# Altium PCB SHM.PcbDoc (part 2 of 3) (continued)
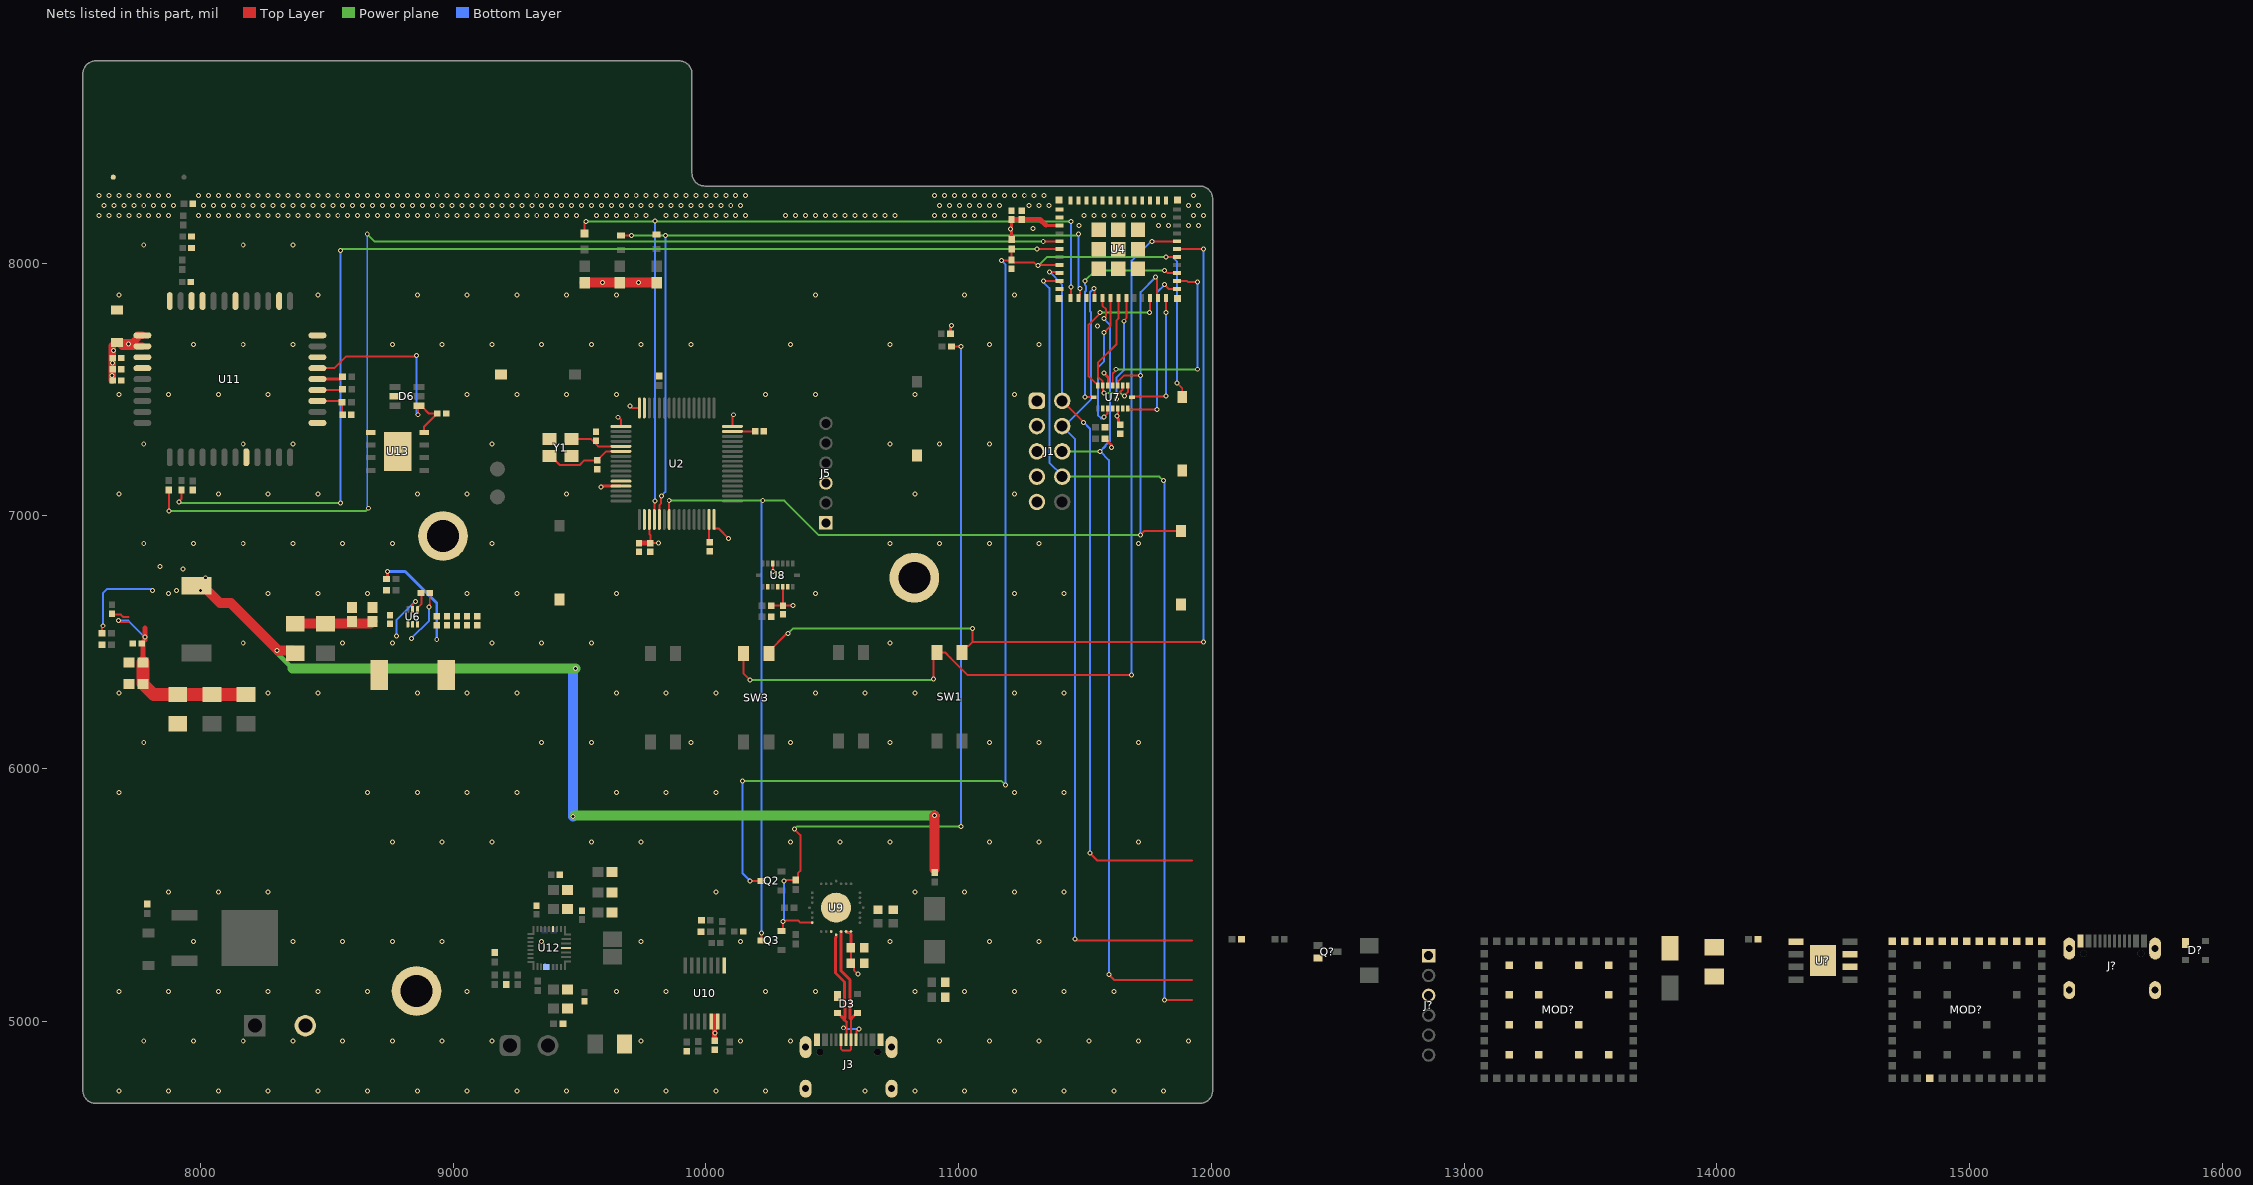
[diagram p4: the nets of this part, all layers, seen from the top]
## Part data (continued)
U11: library part CMP-72dbb8ea0133ad1c-5, "Module: GSM/Bluetooth; GPRS; 2G; 1800MHz, 900MHz; 85.6kbps; SMD", LCSC Part=C69120, LCSC_PN=C69119, Manufacturer Part Number=SIM800C, Mounting Style="Surface Mount", Octopart URL=http://octopart.com/sim800c-simcom-54220430, OctopartID=72dbb8ea0133ad1c
U12: "Integrated Circuit", LCSC_PN=C3682029, Manufacturer_Name="Texas Instruments", Mouser Part Number=595-BQ25672RQMR, Arrow Part Number=BQ25672RQMR, Arrow Price/Stock=https://www.arrow.com/en/products/bq25672rqmr/texas-instruments?region=nac, Datasheet Link=https://www.ti.com/lit/ds/symlink/bq25672.pdf, Height=1mm, Manufacturer_Part_Number=BQ25672RQMR, Mouser Price/Stock=https://www.mouser.co.uk/ProductDetail/Texas-Instruments/BQ25672RQMR?qs=ljCeji4nMDntn8Xa8JfKdA%3D%3D
U13: library part CMP-ce8f06c57f401148-2, "Embedded SIM card in MFF2", LCSC_PN=C5122390, DNP=DNP
U?: "Integrated Circuit", LCSC_PN=C9864, Manufacturer_Name="Texas Instruments", Mouser Part Number=595-TPS5430DDAR, Arrow Part Number=TPS5430DDAR, Arrow Price/Stock=https://www.arrow.com/en/products/tps5430ddar/texas-instruments?region=nac, Datasheet Link=http://www.ti.com/lit/gpn/tps5430, Height=1.7mm, Manufacturer_Part_Number=TPS5430DDAR, Mouser Price/Stock=https://www.mouser.co.uk/ProductDetail/Texas-Instruments/TPS5430DDAR?qs=zwk82MlA57ZJdOTovH1aYA%3D%3D
Y1: "Crystal or Oscillator", LCSC_PN=C400090, Manufacturer_Name="TAE(Zhejiang Abel Elec)", Datasheet Link=https://datasheet.lcsc.com/lcsc/1912111437_TAE-Zhejiang-Abel-Elec-TAXM8M4RDBCCT2T_C400090.pdf, Height=0.8mm, Manufacturer_Part_Number=TAXM8M4RDBCCT2T

## Free pads (board coordinates)
  round 196.85 hole 125.98: 0(8855,5120) 0(8960,6920) 0(10825,6755)

## Via types
v1: diameter 19.68, hole 11.81, Top Layer to Bottom Layer, tented both sides, 684 vias

## Nets (pads, with @x,y where several pads share a name; then routed paths per layer and width w, separated by ;. In a path a pad name is that pad's centre, name@x,y a point inside that pad or via, vN(x,y) a via of type N, cw(c..) or ccw(c..) an arc to the next point about the centre after c; other vN are vias at no path point)
3v3_dig@2A: C10.2 C11.1 C27.2 C28.1 C30.2 C31.2 C32.2 C33.2 C34.2 C38.1 C39.1 C42.2 C43.2 C49.2 J1.1 J5.1 J?.1 L3.2 MOD?.14@14842.36,4774.33 R13.2 R22.2 R26.1 R27.1 R39.2 U2.1 U2.13 U2.19 U2.32 U2.48 U2.64 U4.3 U7.3 U7.11 U8.3 U8.11 U9.6 U9.7 U10.5 U10.6 | length 1890.5
  Top Layer w7.87: v1(9652.91,7390.1) 9654.9,7390.1 9664.06,7380.94 U2.1@9664.06,7353.74 ; v1(9700,7435) 9708.43,7426.57 U2.64@9736.89,7426.57 ; U2.19@9776.26,6985.63 9776.26,6927.12 9780,6923.38 C28.1@9780,6892.32 9807.68,6892.32 9810,6890 9810,6890.26 v1(9812.22,6892.48) ; U2.32@10032.17,6985.63 10032.17,6951.94 10033.98,6950.12 10049.88,6950.12 v1(10090,6910) ; U2.48@10105,7353.74 10105,7395 v1(10110,7400) ; R27.1@10258.7,6645 10304.65,6645 10304.68,6644.96 U8.3@10304.68,6719.13 ; v1(10265,6780) 10265.32,6780.31 U8.11@10265.32,6810.87 ; C39.1@10305,6644.65 10305.35,6645 v1(10345,6645) ; C42.2@10573.43,5290 C43.2@10573.43,5230 10585.69,5217.73 10585.69,5202.35 v1(10601.01,5187.04) ; U7.11@11590.71,7515.87 11590.71,7549.29 ; 11630,7385 11630,7424.06 U7.3@11630.08,7424.13
  Top Layer w11.81: R22.2@8736.3,6750 8740,6753.7 v1(8740,6780) ; v1(9585,7115) 9587.52,7117.52 U2.13@9664.06,7117.52 ; U9.6@10554.69,5355 10557.64,5352.05 10566.51,5352.05 10573.43,5345.13 C42.2@10573.43,5290 ; R39.2@10968.7,7720 10968.7,7753.7 10970,7755 10971.21,7753.79 v1(10972.27,7753.79) ; R13.2@11210,8093.7 11210,8127.87 11205,8132.87 11205,8137.13 11210,8142.13 C10.2@11210,8172.68 ; 11345,8150 11345.51,8149.49 U4.3@11399.96,8149.49 ; v1(11575,7565) 11590.71,7549.29 ; R26.1@11578.7,7305 11579.69,7305 11605,7279.69 v1(11605,7270) ; 11630,7385 11633.7,7381.3 11633.7,7365.94 C38.1@11640,7359.65
  Top Layer w19.68: C27.2@9735,6892.32 C28.1@9780,6892.32 ; C49.2@10035,4922.32 10035,5020 ; C10.2@11210,8172.68 C11.1@11250,8172.68 11322.32,8172.68 11345,8150
  Bottom Layer w11.81: v1(8740,6780) 8810,6780 8935,6655 v1(8935,6510)
  other v1: 10036.97,4954.35 11626.97,7394.35 11205,8135
4v3@3A: C50.2 C51.2 C52.2 C?.2 D5.1 L2.2 R1.2 R2.2 R3.2 R18.2 R20.1 R23.2 R?.2@14163.7,5325 U11.34 U11.35 | length 4957.9
  Top Layer w7.87: R18.2@7611.3,6535 7611.3,6561.3 v1(7615,6565)
  Top Layer w29.53: C50.2@7651.69,7535.98 D5.1@7651.69,7673.43 ; D5.1@7670,7685.63 D5.1@7676.1,7685.63 ; U11.35@7770.2,7670.87 7690.87,7670.87 D5.1@7676.1,7685.63 ; U11.34@7770.2,7714.17 7752.48,7714.17 7749.53,7711.22 7749.53,7702.93 7732.23,7685.63 D5.1@7676.1,7685.63
  Top Layer w39.37: L2.2@7985,6722.87 8009.61,6722.87 8077.48,6655 8120,6655 v1@8305.55,6469.45 ; v1@8307.24,6467.76 8364.17,6467.76 R20.1@8375,6456.93 ; R3.2@9520,7922.52 R2.2@9660,7922.52 R1.2@9805,7922.52 ; R23.2@10905,5600 v1(10905,5815)
  Power plane w19.68: v1(8302.66,6466.56) 8300,6463.9 8300,6460 8365,6395 ; v1(9475,5810) v1@9480,5815
  Power plane w39.37: 8365,6395 v1(9485,6395) ; v1@9480,5815 v1(10905,5815)
  Bottom Layer w7.87: v1(7615,6565) 7615,6695 7630,6710 7805,6710 v1(7810,6705)
  Bottom Layer w19.68: 9475,6385 v1(9485,6395)
  Bottom Layer w39.37: v1(9475,5810) 9475,6385
  other v1: 7905,6705 8000,6705 8020,6755 7930,6790 7840,6800 7650,7555 7651.69,7604.7 7655,7655 7715,7680 9590,7922.52 9732.5,7922.52
13v5@3A: R15.1
BTST1: C69.1 U12.4
D_N: D3.3 J3.A7 J3.B7 U9.5 | length 596.4
  Top Layer w8: J3.B7@10535.47,4926.9 10535.47,4889.69 10540.16,4885 10570.15,4885 10574.84,4889.69 J3.A7@10574.84,4926.9 10574,4927.74 10574,5007.23
  Top Layer w11.81: U9.5@10535,5352.05 10535,5199.54 10570.51,5164.03 10570.51,5010.72 10574,5007.23 10575.42,5008.65 10575.42,5010.62 10597.4,5032.6 D3.3@10599.37,5032.6
D_P: D3.2 J3.A6 J3.B6 U9.4 | length 587.3
  Top Layer w8: v1(10545,4974.25) 10545.75,4975 10556,4975 10556,4997.23 ; J3.A6@10555.16,4926.9 10556,4927.74 10556,4974.25 ; J3.B6@10594.53,4926.9 10596.43,4928.8 10596.43,4961.43 v1(10605,4970)
  Top Layer w11.81: 10515.19,5334.44 10515.19,5330.47 10513.19,5328.47 10513.19,5190.51 10548.7,5155 10548.7,5055.18 10550.7,5053.18 10550.7,5012.02 10548.67,5009.99 10545.21,5009.99 ; D3.2@10520.63,5032.6 10522.6,5032.6 10545.21,5009.99 ; 10556,4997.23 10545.21,5008.02 10545.21,5009.99
  Bottom Layer w8: v1(10545,4974.25) 10545.75,4975 10555,4975 10560,4970 v1(10605,4970)
DGND: C10.1 C11.2 C13.2 C14.2 C15.1 C16.2 C17.2 C24.1 C25.1 C26.1 C27.1 C28.2 C30.1 C31.1 C32.1 C33.1 C34.1 C35.1 C36.1 C37.1 C38.2 C39.2 C40.1 C41.1 C42.1 C43.1 C45.1 C46.1 C47.1 C48.1 C49.1 C50.1 C51.1 C52.1 C53.1 C54.1 C55.1 C56.1 C57.1 C58.1 C59.1 C60.1 C61.1 C62.1 C63.1 C65.1 C66.1 C67.1 C68.1 C70.1 C71.1 C?.1 D3.1 D5.2 D6.2 D?.1@15855.63,5309.53 D?.2@13815,5288.74 J1.3 J1.5 J1.7 J1.9 J2.2 J3.A1B12 J3.B1A12 J3.SHELL J5.3 J?.3 J?.A1B12 J?.SHELL LED1.2 MOD?.34@15285.28,5315.67 MOD?.35@15236.06,5315.67 MOD?.36@15186.85,5315.67 MOD?.37@15137.64,5315.67 MOD?.38@15088.43,5315.67 MOD?.39@15039.21,5315.67 MOD?.40@14990,5315.67 MOD?.41@14940.79,5315.67 MOD?.42@14891.57,5315.67 MOD?.43@14842.37,5315.67 MOD?.44@14793.16,5315.67 MOD?.45@14743.95,5315.67 MOD?.46@14694.73,5315.67 MOD?.47@13178.15,4867.82 MOD?.48@13296.26,4867.82 MOD?.49@13453.74,4867.82 MOD?.50@13571.85,4867.82 MOD?.51@13178.15,4985.93 MOD?.52@13296.26,4985.93 MOD?.53@13453.74,4985.93 MOD?.54@13178.15,5104.04 MOD?.55@13296.26,5104.04 MOD?.56@13571.86,5104.06 MOD?.57@13178.16,5222.17 MOD?.58@13296.27,5222.17 MOD?.59@13453.75,5222.17 MOD?.60@13571.86,5222.17 pad.0 Q?.2 R7.1 R14.1 R19.1 R24.1 R25.1 R28.1 R30.1 R32.1 R36.2 R37.1 R42.1 R47.1 R53.2 R?.2@12118.7,5325 RF_PCB1.2 SW5.2 SW6.2 SW7.2 SW8.2 SW9.2 U2.12 U2.18 U2.63 U4.1 U4.2 U4.11 U4.14 U4.36 U4.37 U4.38 U4.39 U4.40 U4.41 U4.42 U4.43 U4.44 U4.45 U4.46 U4.47 U4.48 U4.49 U4.50 U4.51 U4.52 U4.53 U4.54 U4.55 U4.56 U4.57 U4.58 U4.59 U4.60 U4.61 U6.3 U7.2 U7.4 U7.6 U8.2 U8.4 U8.6 U9.3 U9.29 U10.8 U11.8 U11.13 U11.19 U11.21 U11.23 U11.27 U11.30 U11.31 U11.33 U11.36 U11.37 U12.27 U13.1 U13.9 U?.6 U?.9 Y1.2 Y1.4
  other v1: 7677.17,4724.41 7874.02,4724.41 8070.87,4724.41 8267.72,4724.41 8464.57,4724.41 8661.42,4724.41 8858.27,4724.41 9055.12,4724.41 9251.97,4724.41 9448.82,4724.41 9645.67,4724.41 9842.52,4724.41 10039.37,4724.41 10236.22,4724.41 10629.92,4724.41 10826.77,4724.41 11023.62,4724.41 11220.47,4724.41 11417.32,4724.41 11614.17,4724.41 11811.02,4724.41 7775.59,4921.26 7972.44,4921.26 8169.29,4921.26 8366.14,4921.26 8562.99,4921.26 8759.84,4921.26 8956.69,4921.26 9153.54,4921.26 9744.09,4921.26 10137.8,4921.26 10334.65,4921.26 10925.2,4921.26 11122.05,4921.26 11318.9,4921.26 11515.75,4921.26 11712.6,4921.26 11909.45,4921.26 7677.17,5118.11 7874.02,5118.11 8070.87,5118.11 8267.72,5118.11 8464.57,5118.11 8661.42,5118.11 9055.12,5118.11 9645.67,5118.11 9842.52,5118.11 10236.22,5118.11 10433.07,5118.11 10826.77,5118.11 11023.62,5118.11 11220.47,5118.11 11417.32,5118.11 11614.17,5118.11 7972.44,5314.96 8366.14,5314.96 8562.99,5314.96 8759.84,5314.96 8956.69,5314.96 9350.39,5314.96 9744.09,5314.96 10137.8,5314.96 10728.35,5314.96 11122.05,5314.96 11318.9,5314.96 7874.02,5511.81 8070.87,5511.81 8267.72,5511.81 10039.37,5511.81 10826.77,5511.81 11023.62,5511.81 11220.47,5511.81 11417.32,5511.81 8759.84,5708.66 8956.69,5708.66 9153.54,5708.66 9547.24,5708.66 9744.09,5708.66 10334.65,5708.66 10531.5,5708.66 10728.35,5708.66 11122.05,5708.66 11318.9,5708.66 11712.6,5708.66 7677.17,5905.51 8661.42,5905.51 8858.27,5905.51 9055.12,5905.51 9251.97,5905.51 9645.67,5905.51 9842.52,5905.51 10039.37,5905.51 11220.47,5905.51 11417.32,5905.51 7775.59,6102.36 9350.39,6102.36 9547.24,6102.36 9940.95,6102.36 10334.65,6102.36 10728.35,6102.36 11122.05,6102.36 11318.9,6102.36 11712.6,6102.36 7677.17,6299.21 8267.72,6299.21 8464.57,6299.21 8858.27,6299.21 9055.12,6299.21 9251.97,6299.21 9645.67,6299.21 9842.52,6299.21 10039.37,6299.21 10433.07,6299.21 10629.92,6299.21 10826.77,6299.21 11220.47,6299.21 11417.32,6299.21 8169.29,6496.06 8562.99,6496.06 8759.84,6496.06 9153.54,6496.06 9350.39,6496.06 9547.24,6496.06 10728.35,6496.06 7874.02,6692.91 8267.72,6692.91 8464.57,6692.91 8661.42,6692.91 9055.12,6692.91 9251.97,6692.91 9645.67,6692.91 10433.07,6692.91 11220.47,6692.91 11417.32,6692.91 7775.59,6889.76 7972.44,6889.76 8169.29,6889.76 8366.14,6889.76 8562.99,6889.76 8759.84,6889.76 9153.54,6889.76 10728.35,6889.76 10925.2,6889.76 11122.05,6889.76 11318.9,6889.76 11712.6,6889.76 7677.17,7086.61 8070.87,7086.61 8267.72,7086.61 8464.57,7086.61 8858.27,7086.61 9055.12,7086.61 9448.82,7086.61 10826.77,7086.61 11220.47,7086.61 7775.59,7283.46 8169.29,7283.46 8366.14,7283.46 9153.54,7283.46 10728.35,7283.46 10925.2,7283.46 11122.05,7283.46 7677.17,7480.32 7874.02,7480.32 8070.87,7480.32 8267.72,7480.32 9055.12,7480.32 9251.97,7480.32 9448.82,7480.32 9645.67,7480.32 10236.22,7480.32 10433.07,7480.32 10826.77,7480.32 11220.47,7480.32 7972.44,7677.17 8169.29,7677.17 8366.14,7677.17 8759.84,7677.17 8956.69,7677.17 9153.54,7677.17 9350.39,7677.17 9547.24,7677.17 9744.09,7677.17 9940.95,7677.17 10334.65,7677.17 10728.35,7677.17 11122.05,7677.17 11318.9,7677.17 11549.85,7752.07 7677.17,7874.02 8464.57,7874.02 8858.27,7874.02 9055.12,7874.02 9251.97,7874.02 9448.82,7874.02 9645.67,7874.02 10433.07,7874.02 11023.62,7874.02 11220.47,7874.02 7775.59,8070.87 8169.29,8070.87 8366.14,8070.87 11294.85,8137.07 11476.38,8149.61 11791.34,8149.61 11830.72,8149.61 11909.46,8149.61 11948.83,8149.61 7598.43,8188.98 7637.8,8188.98 7677.17,8188.98 7716.54,8188.98 7755.91,8188.98 7795.28,8188.98 7834.65,8188.98 7874.02,8188.98 7992.13,8188.98 8031.5,8188.98 8070.87,8188.98 8110.24,8188.98 8149.61,8188.98 8188.98,8188.98 8228.35,8188.98 8267.72,8188.98 8307.09,8188.98 8346.46,8188.98 8385.83,8188.98 8425.2,8188.98 8464.57,8188.98 8503.94,8188.98 8543.31,8188.98 8582.68,8188.98 8622.05,8188.98 8661.42,8188.98 8700.79,8188.98 8740.16,8188.98 8779.53,8188.98 8818.9,8188.98 8858.27,8188.98 8897.64,8188.98 8937.01,8188.98 8976.38,8188.98 9015.75,8188.98 9055.12,8188.98 9094.49,8188.98 9133.86,8188.98 9173.23,8188.98 9212.6,8188.98 9251.97,8188.98 9291.34,8188.98 9330.71,8188.98 9370.08,8188.98 9409.45,8188.98 9448.82,8188.98 9488.19,8188.98 9566.93,8188.98 9606.3,8188.98 9645.67,8188.98 9685.04,8188.98 9724.41,8188.98 9763.78,8188.98 9842.52,8188.98 9881.9,8188.98 9921.27,8188.98 9960.64,8188.98 10000.01,8188.98 10039.38,8188.98 10078.75,8188.98 10118.12,8188.98 10157.49,8188.98 10314.97,8188.98 10354.34,8188.98 10393.71,8188.98 10433.08,8188.98 10472.45,8188.98 10511.82,8188.98 10551.19,8188.98 10590.56,8188.98 10629.93,8188.98 10669.3,8188.98 10708.67,8188.98 10748.04,8188.98 10905.52,8188.98 10944.89,8188.98 10984.26,8188.98 11023.63,8188.98 11063,8188.98 11102.37,8188.98 11141.74,8188.98 11496.07,8188.98 11535.44,8188.98 11574.81,8188.98 11614.18,8188.98 11653.55,8188.98 11692.92,8188.98 11732.29,8188.98 11771.66,8188.98 11811.03,8188.98 11929.14,8188.98 11968.51,8188.98 7618.11,8228.35 7657.48,8228.35 7696.85,8228.35 7736.22,8228.35 7775.59,8228.35 7814.96,8228.35 7854.33,8228.35 7893.7,8228.35 8011.82,8228.35 8051.19,8228.35 8090.56,8228.35 8129.93,8228.35 8169.3,8228.35 8208.67,8228.35 8248.04,8228.35 8287.41,8228.35 8326.78,8228.35 8366.15,8228.35 8405.52,8228.35 8444.89,8228.35 8484.26,8228.35 8523.63,8228.35 8563,8228.35 8602.37,8228.35 8641.74,8228.35 8681.11,8228.35 8720.48,8228.35 8759.85,8228.35 8799.22,8228.35 8838.59,8228.35 8877.96,8228.35 8917.33,8228.35 8956.7,8228.35 8996.07,8228.35 9035.44,8228.35 9074.81,8228.35 9114.18,8228.35 9153.55,8228.35 9192.92,8228.35 9232.29,8228.35 9271.66,8228.35 9311.03,8228.35 9350.4,8228.35 9389.77,8228.35 9429.14,8228.35 9468.51,8228.35 9507.88,8228.35 9547.25,8228.35 9586.62,8228.35 9625.99,8228.35 9665.36,8228.35 9704.73,8228.35 9744.1,8228.35 9783.47,8228.35 9822.84,8228.35 9862.21,8228.35 9901.58,8228.35 9940.95,8228.35 9980.32,8228.35 10019.69,8228.35 10059.06,8228.35 10098.43,8228.35 10137.8,8228.35 10925.2,8228.35 10964.57,8228.35 11003.94,8228.35 11043.31,8228.35 11082.68,8228.35 11122.05,8228.35 11161.42,8228.35 11279.53,8228.35 11318.9,8228.35 11358.27,8228.35 11909.46,8228.35 11948.83,8228.35 7598.43,8267.72 7637.8,8267.72 7677.17,8267.72 7716.54,8267.72 7755.91,8267.72 7795.28,8267.72 7834.65,8267.72 7874.02,8267.72 7992.13,8267.72 8031.5,8267.72 8070.87,8267.72 8110.24,8267.72 8149.61,8267.72 8188.98,8267.72 8228.35,8267.72 8267.72,8267.72 8307.09,8267.72 8346.46,8267.72 8385.83,8267.72 8425.2,8267.72 8464.57,8267.72 8503.94,8267.72 8543.31,8267.72 8582.68,8267.72 8622.05,8267.72 8661.42,8267.72 8700.79,8267.72 8740.16,8267.72 8779.53,8267.72 8818.9,8267.72 8858.27,8267.72 8897.64,8267.72 8937.01,8267.72 8976.38,8267.72 9015.75,8267.72 9055.12,8267.72 9094.49,8267.72 9133.86,8267.72 9173.23,8267.72 9212.6,8267.72 9251.97,8267.72 9291.34,8267.72 9330.71,8267.72 9370.08,8267.72 9409.45,8267.72 9448.82,8267.72 9488.19,8267.72 9527.56,8267.72 9566.93,8267.72 9606.3,8267.72 9645.67,8267.72 9685.04,8267.72 9724.41,8267.72 9763.78,8267.72 9803.15,8267.72 9842.52,8267.72 9881.9,8267.72 9921.27,8267.72 9960.64,8267.72 10000.01,8267.72 10039.38,8267.72 10078.75,8267.72 10118.12,8267.72 10157.49,8267.72 10905.52,8267.72 10944.89,8267.72 10984.26,8267.72 11023.63,8267.72 11063,8267.72 11102.37,8267.72 11141.74,8267.72 11181.11,8267.72 11220.48,8267.72 11259.85,8267.72 11299.22,8267.72 11338.59,8267.72 11929.14,8267.72
DTR: Q3.2 R40.1 R41.2 U9.28 | length 3189.9
  Top Layer w7.87: Q3.2@10299.76,5357.4 10305,5362.64 v1(10305,5395) 10308.2,5395 10311.98,5398.78 10364.85,5398.78 10373.2,5390.43 U9.28@10420.83,5390.43 ; v1(10310,5555) 10313.7,5558.7 R41.2@10355,5558.7 10363.86,5567.56 10363.86,5585.23 10373.78,5595.15 10373.78,5736.22 v1(10350,5760) ; R40.1@10972.4,7670 v1(11010,7670)
  Power plane w7.87: v1(10350,5760) 10360,5770 v1(11010,5770)
  Bottom Layer w7.87: v1(10305,5395) 10310,5400 v1(10310,5555) ; v1(11010,5770) v1(11010,7670)
ESP32_AC_CS: U4.19 U7.14 | length 480.8
  Top Layer w7.87: v1(11625.66,7461.83) 11625.66,7462.33 11625,7462.99 11625,7475.84 11641.6,7492.44 11641.86,7492.44 11648.78,7499.36 11648.78,7514.88 U7.14@11649.76,7515.87 ; v1(11655,7770) 11655,7773.2 11663.74,7781.94 U4.19@11663.74,7862.09
  Bottom Layer w7.87: v1(11625.66,7461.83) 11625.66,7548.25 11655,7577.59 v1(11655,7770)
ESP32_BMI_INT_1: U4.24 U7.16 | length 523.9
  Top Layer w7.87: U7.16@11685.79,7470 11688.53,7472.74 11817.74,7472.74 v1(11820,7475) ; v1(11820,7805) 11820.61,7805.61 11820.61,7861.48 U4.24@11821.22,7862.09
  Bottom Layer w7.87: v1(11820,7475) v1(11820,7805)
ESP32_BMI_INT_2: U4.25 U7.1 | length 682.1
  Top Layer w7.87: U7.1@11669.45,7424.13 11669.45,7422.95 11672.4,7420 v1(11785,7420) ; v1(11815,7915) 11832.48,7897.52 U4.25@11864.53,7897.52
  Bottom Layer w7.87: v1(11785,7420) 11785,7885 v1(11815,7915)
ESP32_BMI_INT_3: U4.26 U7.12 | length 818.4
  Top Layer w7.87: U7.12@11610.39,7515.87 11610,7516.26 11610,7563.16 11623.78,7576.94 v1(11623.78,7580) ; U4.26@11864.53,7929.02 11903.97,7929.02 11907.98,7925 v1(11945,7925)
  Power plane w7.87: v1(11623.78,7580) v1(11945,7580)
  Bottom Layer w7.87: v1(11945,7580) v1(11945,7925)
ESP32_EN: C15.2 Q2.3 R13.1 SW7.1 U4.8 U4.29 | length 5018.7
  Top Layer w7.87: v1(10175,5555) Q2.3@10220.24,5555 ; v1(11170,8010) 11207.68,8010 C15.2@11210,8012.32 ; R13.1@11210,8056.3 C15.2@11210,8012.32 ; v1@11308.84,7992.01 11297.58,8003.27 11218.27,8003.27 11210,8011.54 C15.2@11210,8012.32 ; v1@11315.06,7992.01 U4.8@11399.96,7992.01 ; v1(11820,8025) 11820.75,8024.25 11863.78,8024.25 U4.29@11864.53,8023.5 ; v1(11865,7525) 11885,7505 SW7.1@11885,7470.67
  Power plane w7.87: v1(10145,5950) 11170,5950 v1(11185,5935) ; v1(11315.06,7990.46) 11315,7990.4 11315,7990 11350,8025 v1(11820,8025)
  Bottom Layer w7.87: v1(10145,5950) 10145,5585 v1(10175,5555) ; v1(11170,8010) 11185,7995 v1(11185,5935) ; v1(11820,8025) 11845,8025 11865,8005 v1(11865,7525)
ESP32_GYRO_CS: U4.17 U7.5 | length 555.7
  Top Layer w7.87: v1(11574.63,7390.5) 11574.63,7390.94 11589.72,7406.03 11589.72,7423.15 U7.5@11590.71,7424.13 ; v1(11575,7725) 11600.75,7750.75 U4.17@11600.75,7862.09
  Bottom Layer w7.87: v1(11574.63,7390.5) 11574.63,7390.37 11575,7390 11570.76,7385.76 11564.24,7385.76 11551.22,7398.78 11551.22,7586.58 11575,7610.36 v1(11575,7725)
ESP32_IO0: LED3.1 U2.20 U4.12 | length 3459.5
  Top Layer w7.87: LED3.1@9520,8116.5 9520,8160 v1(9525,8165) ; U2.20@9795.94,6985.63 9795.94,7055.94 9798.19,7058.19 v1(9798.19,7058.05) ; U4.12@11443.27,7862.09 11444.13,7862.95 11444.13,7904.13 v1(11445,7905)
  Power plane w7.87: v1(9525,8165) v1(11445,8165)
  Bottom Layer w7.87: v1(9798.07,8165.86) 9797.21,8165 9795,8165 9798.19,8161.81 v1(9798.19,7058.05) ; v1(11445,7905) v1(11445,8165)
ESP32_IO1: LED2.2 U2.21 U4.13 | length 3207.7
  Top Layer w7.87: LED2.2@9665,8108.54 9703.54,8108.54 v1(9705,8110) ; U2.21@9815.63,6985.63 9815.63,7041.86 9821.97,7048.2 9821.97,7078.03 9820.64,7079.36 v1(9824.57,7079.36) ; U4.13@11474.76,7862.09 11478.7,7866.02 11478.7,7877.21 11480,7878.51 v1(11480,7900)
  Power plane w7.87: v1(9705,8110) v1(9840,8110) 11470,8110 v1(11475,8115)
  Bottom Layer w7.87: v1(9824.57,7079.36) 9840,7094.79 v1(9840,8110) ; v1(11475,8115) 11475,7905 v1(11480,7900)
ESP32_IO9: Q3.3 SW8.1 U2.23 U4.23 U7.13 | length 5151
  Top Layer w7.87: U2.23@9855,6985.63 v1(9855,7060) ; v1(10220,5350) 10220.24,5349.76 Q3.3@10220.24,5320 ; U7.13@11630.08,7515.87 11631.06,7516.85 11631.06,7532.37 11653.69,7555 v1(11720,7555) ; v1(11720,6925) 11735.67,6940.67 SW8.1@11880,6940.67 ; v1(11780,7945) 11780,7941.8 11785.98,7935.82 11785.98,7865.83 U4.23@11789.72,7862.09
  Power plane w7.87: v1(9855,7060) v1(10225,7060) 10310.43,7060 10445.43,6925 v1(11720,6925)
  Bottom Layer w7.87: v1(10220,5350) 10220,7055 v1(10225,7060) ; v1(11720,6925) v1(11720,7555) 11720,7885 v1(11780,7945)
ESP32_MISO: U4.18 U7.10 U7.15 | length 552.8
  Top Layer w7.87: v1(11576.22,7486.21) 11576.22,7489.41 11571.02,7494.6 U7.10@11571.02,7515.87 11570.04,7516.85 11570.04,7532.37 11551.22,7551.19 11551.22,7606.22 11625,7680 11625,7773.63 11632.24,7780.87 U4.18@11632.24,7862.09 ; v1(11656.46,7473.67) 11656.46,7476.86 11669.45,7489.86 U7.15@11669.45,7515.87
  Power plane w7.87: v1(11576.22,7486.21) 11601.21,7486.21 11601.81,7485.6 11641.32,7485.6 11653.26,7473.67 v1(11656.46,7473.67)
ESP32_MOSI: U4.22 U7.9 | length 583.3
  Top Layer w7.87: U7.9@11551.34,7515.87 11515,7552.2 11515,7756.8 11560,7801.8 v1(11560,7805) ; v1(11755,7805) 11750,7805 11758.23,7813.23 U4.22@11758.23,7862.09
  Power plane w7.87: v1(11560,7805) v1(11755,7805)
ESP32_RX: SW1.4 SW3.3 U4.30 | length 3544.9
  Top Layer w7.87: SW3.3@10249.1,6454.94 10249.1,6462.82 10319.03,6532.74 10322.74,6532.74 v1(10325,6535) ; 11014.1,6459.94 11014.1,6467.82 11031.82,6485.53 11039.69,6485.53 11054.16,6500 ; v1(11055,6555) 11054.16,6554.16 11054.16,6500 ; U4.30@11864.53,8055 v1(11970,8055) ; v1(11970,6500) 11054.16,6500
  Power plane w7.87: v1(10325,6535) 10345,6555 v1(11055,6555)
  Bottom Layer w7.87: v1(11970,6500) v1(11970,8055)
ESP32_SCK: U4.27 U7.8 | length 883.2
  Top Layer w7.87: v1(11500,7470) U7.8@11535,7470 ; v1(11815,7970) 11818.2,7970 11827.68,7960.51 U4.27@11864.53,7960.51
  Power plane w7.87: v1(11500,7930) 11540,7970 v1(11815,7970)
  Bottom Layer w7.87: v1(11500,7470) 11500,7886.37 11503.78,7890.15 11503.78,7909.85 11500,7913.63 v1(11500,7930)
ESP32_TX: SW1.3 SW3.4 U4.31 | length 3612.9
  Top Layer w7.87: SW3.4@10149.1,6454.94 10149.1,6375.9 v1(10175,6350) ; v1(10900,6355) 10900,6445.84 10914.1,6459.94 10946.22,6459.94 10967.56,6438.6 11036.16,6370 v1(11685,6370) ; v1(11765,8085) 11765.75,8085.75 11863.78,8085.75 U4.31@11864.53,8086.5
  Power plane w7.87: v1(10175,6350) 10895,6350 v1(10900,6355)
  Bottom Layer w7.87: v1(11685,6370) 11685,8010 11760,8085 v1(11765,8085)
GSM_CLK: R49.2 U11.16 | length 99.2
  Top Layer w7.87: U11.16@8463.11,7497.64 8558.94,7497.64 R49.2@8561.3,7500
GSM_DATA: C67.2 R48.2 U11.15 | length 149.8
  Top Layer w7.87: U11.15@8463.11,7454.33 8555.67,7454.33 R48.2@8560,7450 8560,7402.68 C67.2@8562.68,7400
GSM_RST: R50.2 U11.17 | length 101.9
  Top Layer w11.81: U11.17@8463.11,7540.94 8551.26,7540.94 8560.31,7550 R50.2@8561.3,7550
GSM_RX: R33.2 U4.6 | length 4548.1
  Top Layer w7.87: v1(7915,7055) 7915,7058.2 7925,7068.2 R33.2@7925,7102.6 ; v1(11310,8055) U4.6@11399.96,8055
  Power plane w7.87: v1(7915,7055) 7920,7050 v1(8555,7050) ; v1(8555,8050) 8555,8050.39 8559.61,8055 v1(11310,8055)
  Bottom Layer w7.87: v1(8555,8050) v1(8555,7050) v1@8560,7055
GSM_TX: R31.2 U4.5 | length 4714.7
  Top Layer w7.87: v1(7875,7020) R31.2@7875,7102.6 ; v1(11335,8085) 11335.75,8085.75 11399.21,8085.75 U4.5@11399.96,8086.5
  Power plane w7.87: v1(7875,7020) 8655,7020 v1(8665,7030) ; v1(8660,8115) 8690,8085 v1(11335,8085)
  Bottom Layer w7.87: v1@8660,7030 v1(8660,8115)
GSM_VCC: C68.2 D6.4 U11.18 U13.8 | length 868.8
  Top Layer w7.87: U11.18@8463.11,7584.25 8529.25,7584.25 8575,7630 8850,7630 v1(8855,7635) ; v1(8860,7400) 8860,7430.51 D6.4@8864.49,7435 8873.35,7435 8903.35,7405 C68.2@8936.89,7405 ; U13.8@8885.31,7330 8885.31,7353.43 C68.2@8936.89,7405 ; C68.2@8937.68,7405 C68.2@8936.89,7405
  Bottom Layer w7.87: v1(8855,7635) 8855,7405 v1(8860,7400)
MTCK: J1.4 U4.15 | length 3159.7
  Top Layer w7.87: v1(11460,5325) 11464.53,5320.47 11923.07,5320.47 ; v1(11535,7900) 11537.76,7897.24 U4.15@11537.76,7862.09
  Bottom Layer w7.87: v1(11460,5325) 11460,7305 J1.4@11410,7355 11418.63,7355 11523.78,7460.15 11523.78,7806.22 11520,7810 11520,7884.38 11535,7899.38 v1(11535,7900)
MTDI: J1.8 U4.10 | length 3440.6
  Top Layer w7.87: v1(11335.67,7928.76) 11335.8,7928.89 11399.83,7928.89 U4.10@11399.96,7929.02 ; v1(11815,5085) 11922.32,5085 11923.07,5084.25
  Power plane w7.87: J1.8@11410,7155 11794.38,7155 11809.38,7140 v1(11810,7140)
  Bottom Layer w7.87: v1(11335.67,7928.76) 11335.67,7924.33 11359.41,7900.59 11359.41,7210.59 11410,7160 J1.8@11410,7155 ; v1(11810,7140) 11815,7135 v1(11815,5085)
MTDO: J1.6 U4.16 | length 3217.5
  Top Layer w7.87: U4.16@11569.25,7862.09 11569.25,7831.95 11583.78,7817.42 11583.78,7791.98 11575,7783.2 v1(11575,7780) ; v1(11595,5185) 11617.01,5162.99 11923.07,5162.99
  Power plane w7.87: J1.6@11410,7255 v1(11560,7255)
  Bottom Layer w7.87: v1(11575,7780) 11600,7755 11600,7295 11598.78,7293.78 11595.15,7293.78 11581.22,7279.85 11581.22,7276.22 v1(11560,7255) 11595,7220 v1(11595,5185)
MTMS: J1.2 U4.9 | length 2818.4
  Top Layer w7.87: v1@11365,7965 11381.65,7965 11382.2,7964.45 11396.02,7964.45 U4.9@11399.96,7960.51 ; J1.2@11410,7455 v1(11495,7370) ; v1(11520,5665) 11549.57,5635.43 11923.07,5635.43
  Bottom Layer w7.87: v1(11360,7965) 11410,7915 J1.2@11410,7455 ; v1(11495,7370) 11520,7345 v1(11520,5665)
NetC13_1: C13.1 U2.6 Y1.1 | length 320
  Top Layer w7.87: Y1.1@9381.69,7236.54 9385.63,7236.54 9421.06,7201.1 9500.76,7201.1 9519.3,7219.65 C13.1@9570,7219.65 9570,7220.43 9604.88,7255.31 U2.6@9664.06,7255.31
NetC14_1: C14.1 U2.5 Y1.3 | length 207.5
  Top Layer w7.87: Y1.3@9468.31,7303.46 9545.51,7303.46 9552.38,7296.59 9573.98,7275 U2.5@9664.06,7275
NetC16_1: C16.1 U2.47 | length 90.4
  Top Layer w7.87: U2.47@10105,7334.06 10194.06,7334.06 C16.1@10195,7335
NetC17_1: C17.1 U2.31 | length 91.7
  Top Layer w7.87: U2.31@10012.48,6985.63 10012.48,6897.52 C17.1@10015,6895
NetC18_2: C18.2 U?.1 | length 71.2
  Top Layer w7.87: C18.2@7650,6612.68 7653.9,6608.78 7684.85,6608.78 7693.94,6599.69 7715.87,6599.69
NetC24_2: C24.2 C25.2 C26.2 R15.2 R16.1 R17.2 U?.7 | length 808.6
  Top Layer w7.87: v1(7675,6585) 7680,6580 7715.87,6580
  Top Layer w19.68: C26.2@7767.32,6495 C26.2@7768.11,6495 ; C24.2@7772.58,6420 7772.58,6490.53 C26.2@7768.11,6495 ; 7780,6556.38 v1(7780,6520) 7780,6507.68 7770.47,6498.15 7770.47,6497.36 C26.2@7768.11,6495
  Top Layer w50: C24.2@7772.58,6420 C25.2@7772.58,6335 7814.51,6293.07 R15.2@7910,6293.07 8035,6293.07 R16.1@8160,6293.07
  Bottom Layer w7.87: v1(7675,6585) 7715,6585 v1(7780,6520)
NetC29_1: C29.1 L3.1 U6.2 | length 211.5
  Top Layer w7.87: v1(8905,6640) 8907.26,6642.26 8907.26,6648.78 8909.24,6650.76 8907.32,6652.68 C29.1@8907.32,6695
  Bottom Layer w7.87: v1(8835,6515) 8905,6585 v1(8905,6640)
NetC29_2: C29.2 U6.4 | length 72.2
  Top Layer w7.87: U6.4@8859.68,6629.13 8859.68,6636.42 8873.81,6650.54 8873.81,6693.87 C29.2@8872.68,6695
NetC35_2: C35.2 C36.2 C37.2 R20.2 R21.1 U6.1 U6.5 | length 514.2
  Top Layer w7.87: U6.5@8840,6629.13 8840,6650 8850,6660 v1@8850,6661.53
  Top Layer w39.37: R20.2@8375,6573.07 R21.1@8495,6573.07 8672.6,6573.07 8680,6580.47 C36.2@8680,6582.42
  Bottom Layer w7.87: v1(8775,6525) 8775,6586.53 v1(8850.03,6661.56)